# Altium PCB PCB2.PcbDoc (part 1 of 3) (continued)
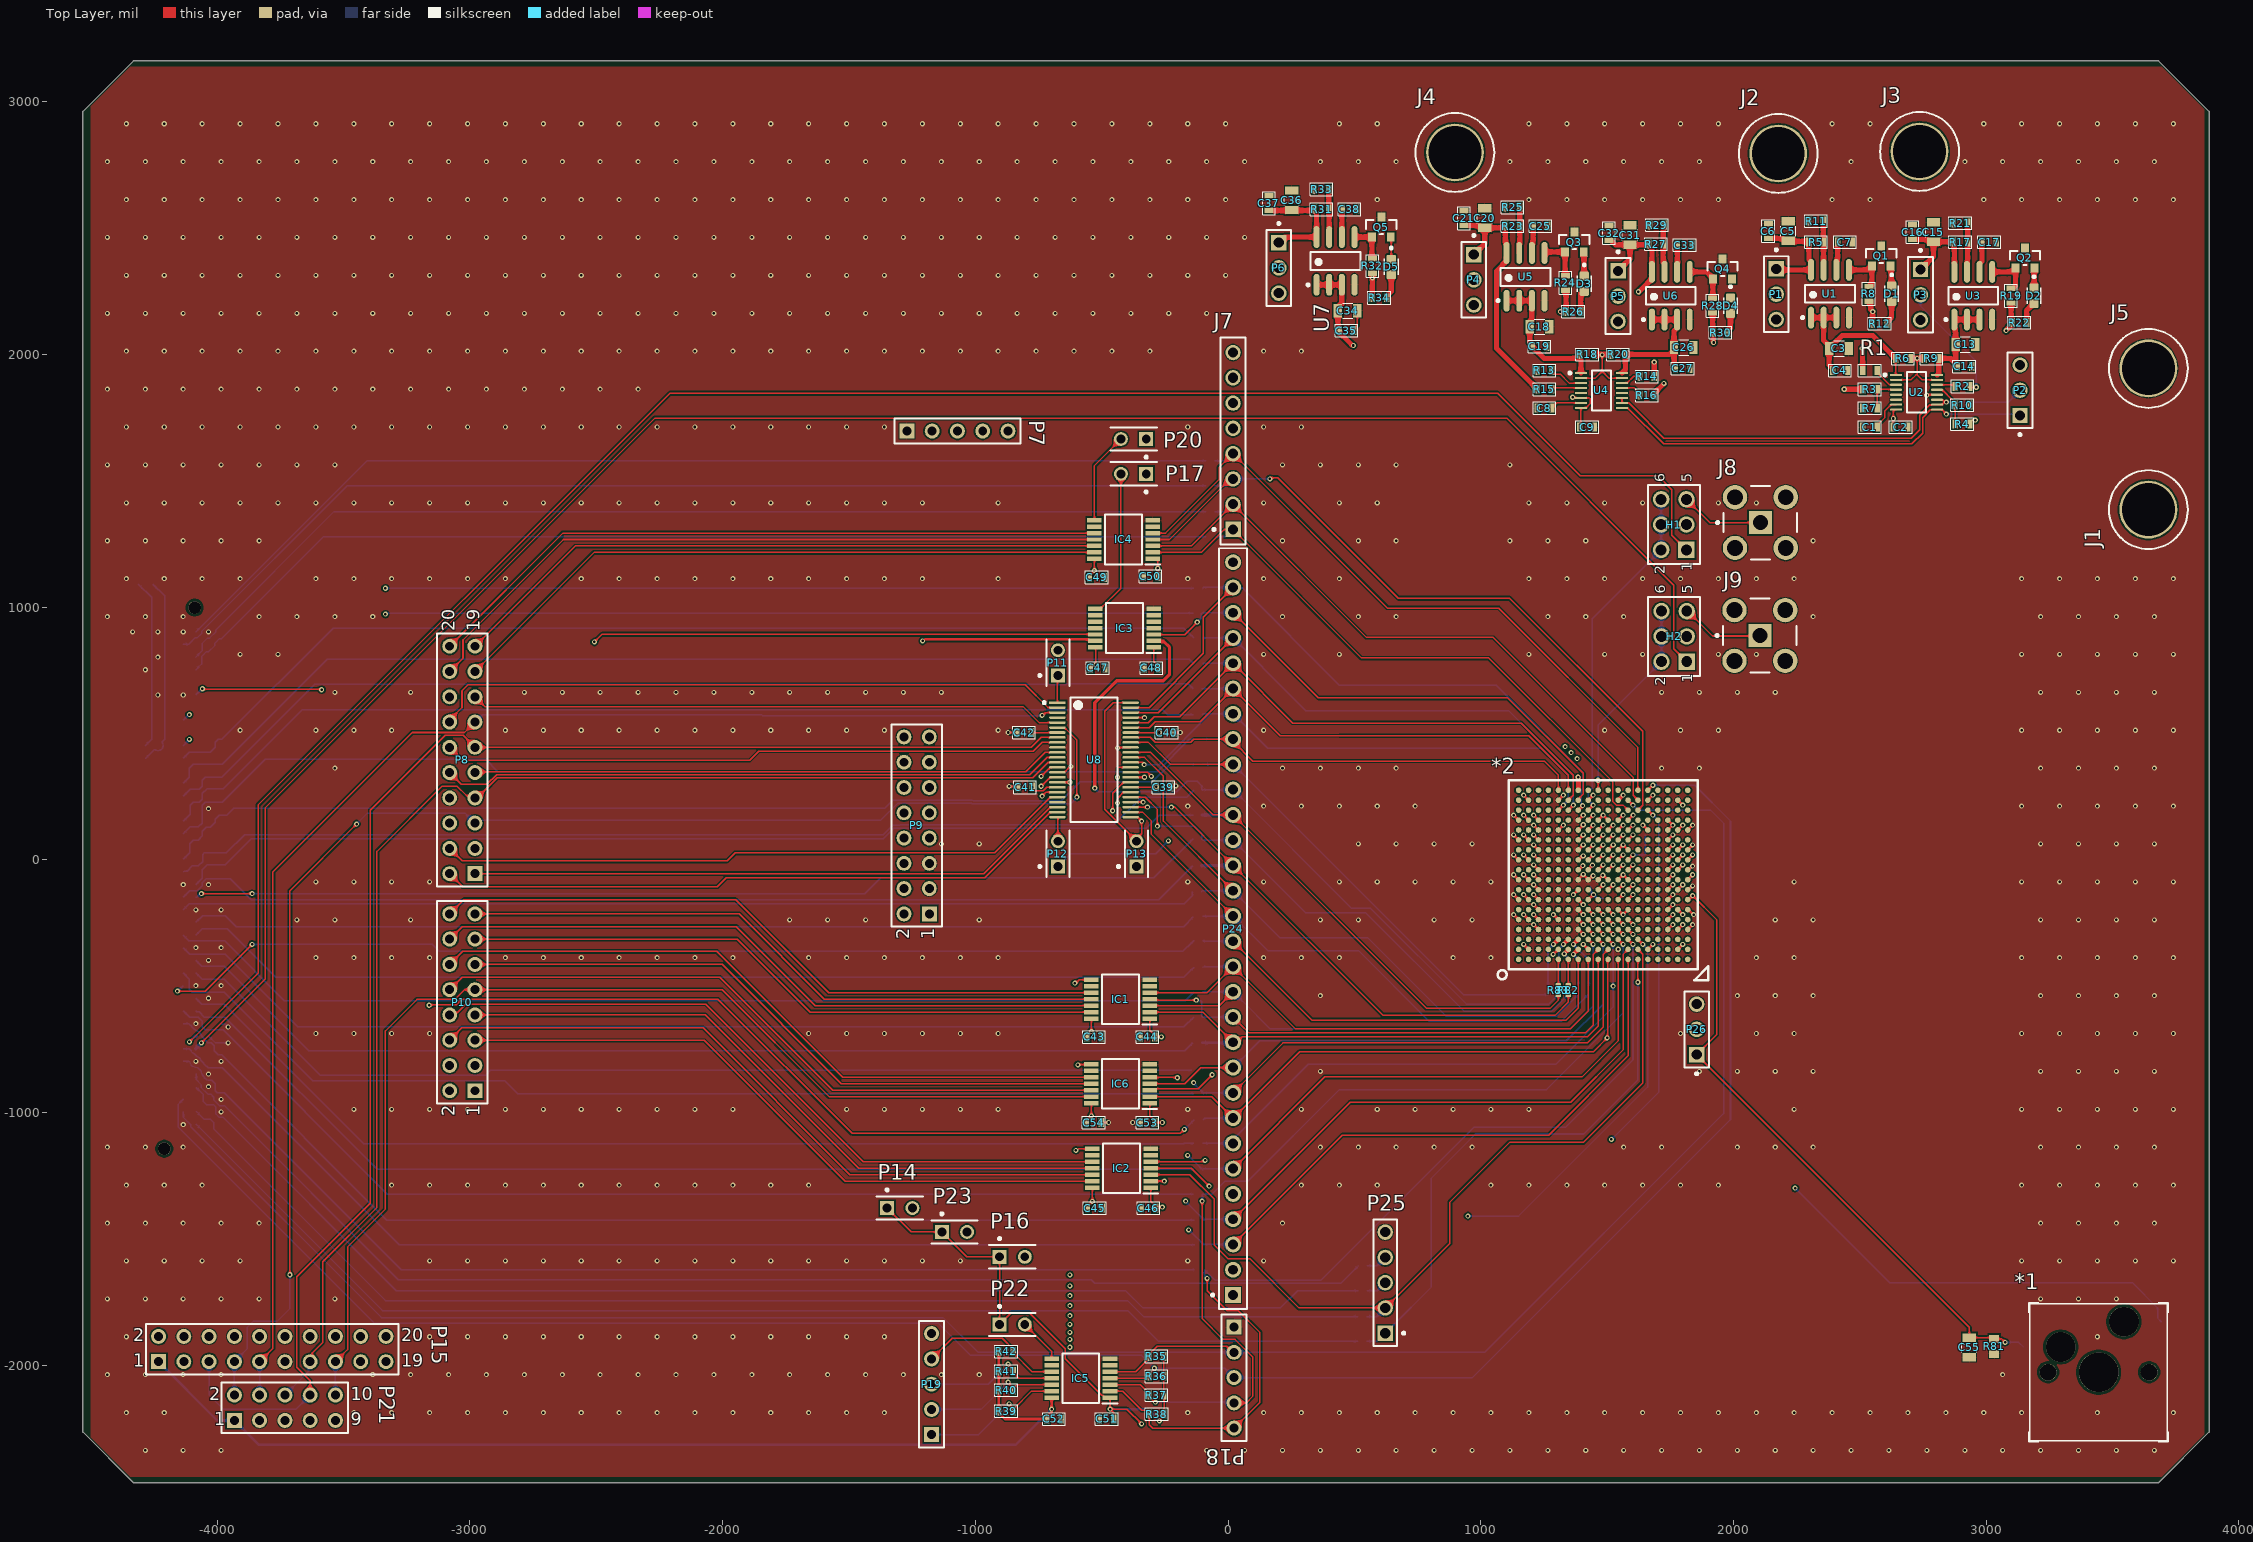
[diagram p0: Top Layer view]
## Components (designator, comment, footprint, x,y, rotation, side; value= is the part's Value field where it differs from the comment) (continued)
R47 "0R2J" RESC0402(1005)_L -110.24,-1622.05 r180 bottom value=0
R48 "0R2J" RESC0402(1005)_L -114.17,-1523.62 r180 bottom value=0
R49 "0R2J" RESC0402(1005)_L -116.14,-1425.2 r180 bottom value=0
R50 "0R2J" RESC0402(1005)_L -118.11,-1322.83 r180 bottom value=0
R51 "0R2J" RESC0402(1005)_L -118.11,-1228.35 r180 bottom value=0
R52 "0R2J" RESC0402(1005)_L -114.17,-1122.05 r180 bottom value=0
R53 "0R2J" RESC0402(1005)_L -122.05,-318.9 r180 bottom value=0
R54 "0R2J" RESC0402(1005)_L -114.17,-925.2 r180 bottom value=0
R55 "0R2J" RESC0402(1005)_L -125.98,-826.77 r180 bottom value=0
R56 "0R2J" RESC0402(1005)_L -118.11,-724.41 r180 bottom value=0
R57 "0R2J" RESC0402(1005)_L -122.05,-622.05 r180 bottom value=0
R58 "0R2J" RESC0402(1005)_L -120.08,-523.62 r180 bottom value=0
R59 "0R2J" RESC0402(1005)_L -122.05,-425.2 r180 bottom value=0
R60 "0R2J" RESC0402(1005)_L -118.11,-224.41 r180 bottom value=0
R61 "0R2J" RESC0402(1005)_L -118.11,-125.98 r180 bottom value=0
R62 "0R2J" RESC0402(1005)_L -120.08,-23.62 r180 bottom value=0
R63 "0R2J" RESC0402(1005)_L -122.05,78.74 r180 bottom value=0
R64 "0R2J" RESC0402(1005)_L -122.05,181.1 r180 bottom value=0
R65 "0R2J" RESC0402(1005)_L -120.08,275.59 r180 bottom value=0
R66 "0R2J" RESC0402(1005)_L -110.24,377.95 r180 bottom value=0
R67 "0R2J" RESC0402(1005)_L -114.17,472.44 r180 bottom value=0
R68 "0R2J" RESC0402(1005)_L -116.14,578.74 r180 bottom value=0
R69 "0R2J" RESC0402(1005)_L -120.08,677.17 r180 bottom value=0
R70 "0R2J" RESC0402(1005)_L -124.02,771.65 r180 bottom value=0
R71 "0R2J" RESC0402(1005)_L -122.05,877.95 r180 bottom value=0
R72 "0R2J" RESC0402(1005)_L -124.02,976.38 r180 bottom value=0
R73 "0R2J" RESC0402(1005)_L -118.11,1074.8 r180 bottom value=0
R75 "0" 0603 -4283.46,1090.55 r0 bottom
R76 "0R2J" RESC0402(1005)_L -118.11,-1031.5 r180 bottom value=0
R77 "0R2J" RESC0402(1005)_L -70.87,1279.53 r180 bottom value=0
R78 "0R2J" RESC0402(1005)_L -70.87,1377.95 r180 bottom value=0
R79 "0R2J" RESC0402(1005)_L -70.87,1480.32 r0 bottom value=0
R80 "0R2J" RESC0402(1005)_L -70.87,1578.74 r180 bottom value=0
R81 "Resistor 10k +/-1% 0603 100 mW" RESC1608X55X25ML10T15 3031.5,-1925.2 r90 top value=10k
R82 "0R2J" RESC0402(1005)_L 1346.46,-515.75 r270 top value=0
R83 "0R2J" RESC0402(1005)_L 1307.09,-515.75 r270 top value=0
R84 "0R2J" RESC0402(1005)_L 1385.83,-515.75 r270 bottom value=0
R85 "0R2J" RESC0402(1005)_L 1346.46,-515.75 r270 bottom value=0
R86 "0R2J" RESC0402(1005)_L 1425.2,-515.75 r270 bottom value=0
R87 "0R2J" RESC0402(1005)_L 1307.09,-515.75 r270 bottom value=0
R88 "0R2J" RESC0402(1005)_L 1267.72,-515.75 r270 bottom value=0
U1 "MCP1726-ADJE/SN" SOIC-SN8_N 2381.89,2240.16 r90 top
U2 "LTC2992IMS#PBF" FP-MS-16-05-08-1669-IPC_C 2724.41,1850.39 r0 top
U3 "MCP1726-ADJE/SN" SOIC-SN8_N 2948.82,2232.28 r90 top
U4 "LTC2992IMS#PBF" FP-MS-16-05-08-1669-IPC_C 1477.52,1857.4 r0 top
U5 "MCP1726-ADJE/SN" SOIC-SN8_N 1177.17,2307.09 r90 top
U6 "MCP1726-ADJE/SN" SOIC-SN8_N 1751.97,2232.28 r90 top
U7 "MCP1726-ADJE/SN" SOIC-SN8_N 425.2,2370.08 r90 top
U8 "SN74AVC16T245DGGR" FP-DGG0048A-IPC_B -530.53,395.67 r0 top

## Footprints (in the part's own frame and the unit in brackets; to place one, negate y for a bottom-side part, rotate by r counter-clockwise, add the part's x,y. Pads: shape width x height; smd on the part's side, far side on the other; paste and mask are expansions set on the pad)
0603 [mm]
  rect 0.55x0.9 smd: 1(-0.73,0) 2(0.73,0)
  silkscreen extent -1.14,-0.64 1.14,0.64
0805 [mm]
  rect 0.85x1.35 smd: 1(-0.98,0) 2(0.98,0)
  silkscreen extent -0.51,-0.76 0.51,0.76
61300621121 [mm] "Pin Header, pitch 2.54 mm, THT, Vertical, dual row, 6p"
  rect 1.65x1.65 hole 1.1: 1(-2.54,-1.27)
  round 1.65 hole 1.1: 2(-2.54,1.27) 3(0,-1.27) 4(0,1.27) 5(2.54,-1.27) 6(2.54,1.27)
  silkscreen extent -3.96,-2.62 3.96,2.62, body extent -3.81,-2.54 3.81,2.54, height 8.59
BGA324x18 [mm]
  round 0.56 smd: 1(0,0) 2(1,0) 3(2,0) 4(3,0) 5(4,0) 6(5,0) 7(6,0) 8(7,0) 9(8,0) 10(9,0) 11(10,0) 12(11,0) 13(12,0) 14(13,0) 15(14,0) 16(15,0) 17(16,0) 18(17,0) 19(0,-1) 20(1,-1) 21(2,-1) 22(3,-1) 23(4,-1) 24(5,-1) 25(6,-1) 26(7,-1) 27(8,-1) 28(9,-1) 29(10,-1) 30(11,-1) 31(12,-1) 32(13,-1) 33(14,-1) 34(15,-1) 35(16,-1) 36(17,-1) 37(0,-2) 38(1,-2) 39(2,-2) 40(3,-2) 41(4,-2) 42(5,-2) 43(6,-2) 44(7,-2) 45(8,-2) 46(9,-2) 47(10,-2) 48(11,-2) 49(12,-2) 50(13,-2) 51(14,-2) 52(15,-2) 53(16,-2) 54(17,-2) 55(0,-3) 56(1,-3) 57(2,-3) 58(3,-3) 59(4,-3) 60(5,-3) 61(6,-3) 62(7,-3) 63(8,-3) 64(9,-3) 65(10,-3) 66(11,-3) 67(12,-3) 68(13,-3) 69(14,-3) 70(15,-3) 71(16,-3) 72(17,-3) 73(0,-4) 74(1,-4) 75(2,-4) 76(3,-4) 77(4,-4) 78(5,-4) 79(6,-4) 80(7,-4) 81(8,-4) 82(9,-4) 83(10,-4) 84(11,-4) 85(12,-4) 86(13,-4) 87(14,-4) 88(15,-4) 89(16,-4) 90(17,-4) 91(0,-5) 92(1,-5) 93(2,-5) 94(3,-5) 95(4,-5) 96(5,-5) 97(6,-5) 98(7,-5) 99(8,-5) 100(9,-5) 101(10,-5) 102(11,-5) 103(12,-5) 104(13,-5) 105(14,-5) 106(15,-5) 107(16,-5) 108(17,-5) 109(0,-6) 110(1,-6) 111(2,-6) 112(3,-6) 113(4,-6) 114(5,-6) 115(6,-6) 116(7,-6) 117(8,-6) 118(9,-6) 119(10,-6) 120(11,-6) 121(12,-6) 122(13,-6) 123(14,-6) 124(15,-6) 125(16,-6) 126(17,-6) 127(0,-7) 128(1,-7) 129(2,-7) 130(3,-7) 131(4,-7) 132(5,-7) 133(6,-7) 134(7,-7) 135(8,-7) 136(9,-7) 137(10,-7) 138(11,-7) 139(12,-7) 140(13,-7) 141(14,-7) 142(15,-7) 143(16,-7) 144(17,-7) 145(0,-8) 146(1,-8) 147(2,-8) 148(3,-8) 149(4,-8) 150(5,-8) 151(6,-8) 152(7,-8) 153(8,-8) 154(9,-8) 155(10,-8) 156(11,-8) 157(12,-8) 158(13,-8) 159(14,-8) 160(15,-8) 161(16,-8) 162(17,-8) 163(0,-9) 164(1,-9) 165(2,-9) 166(3,-9) 167(4,-9) 168(5,-9) 169(6,-9) 170(7,-9) 171(8,-9) 172(9,-9) 173(10,-9) 174(11,-9) 175(12,-9) 176(13,-9) 177(14,-9) 178(15,-9) 179(16,-9) 180(17,-9) 181(0,-10) 182(1,-10) 183(2,-10) 184(3,-10) 185(4,-10) 186(5,-10) 187(6,-10) 188(7,-10) 189(8,-10) 190(9,-10) 191(10,-10) 192(11,-10) 193(12,-10) 194(13,-10) 195(14,-10) 196(15,-10) 197(16,-10) 198(17,-10) 199(0,-11) 200(1,-11) 201(2,-11) 202(3,-11) 203(4,-11) 204(5,-11) 205(6,-11) 206(7,-11) 207(8,-11) 208(9,-11) 209(10,-11) 210(11,-11) 211(12,-11) 212(13,-11) 213(14,-11) 214(15,-11) 215(16,-11) 216(17,-11) 217(0,-12) 218(1,-12) 219(2,-12) 220(3,-12) 221(4,-12) 222(5,-12) 223(6,-12) 224(7,-12) 225(8,-12) 226(9,-12) 227(10,-12) 228(11,-12) 229(12,-12) 230(13,-12) 231(14,-12) 232(15,-12) 233(16,-12) 234(17,-12) 235(0,-13) 236(1,-13) 237(2,-13) 238(3,-13) 239(4,-13) 240(5,-13) 241(6,-13) 242(7,-13) 243(8,-13) 244(9,-13) 245(10,-13) 246(11,-13) 247(12,-13) 248(13,-13) 249(14,-13) 250(15,-13) 251(16,-13) 252(17,-13) 253(0,-14) 254(1,-14) 255(2,-14) 256(3,-14) 257(4,-14) 258(5,-14) 259(6,-14) 260(7,-14) 261(8,-14) 262(9,-14) 263(10,-14) 264(11,-14) 265(12,-14) 266(13,-14) 267(14,-14) 268(15,-14) 269(16,-14) 270(17,-14) 271(0,-15) 272(1,-15) 273(2,-15) 274(3,-15) 275(4,-15) 276(5,-15) 277(6,-15) 278(7,-15) 279(8,-15) 280(9,-15) 281(10,-15) 282(11,-15) 283(12,-15) 284(13,-15) 285(14,-15) 286(15,-15) 287(16,-15) 288(17,-15) 289(0,-16) 290(1,-16) 291(2,-16) 292(3,-16) 293(4,-16) 294(5,-16) 295(6,-16) 296(7,-16) 297(8,-16) 298(9,-16) 299(10,-16) 300(11,-16) 301(12,-16) 302(13,-16) 303(14,-16) 304(15,-16) 305(16,-16) 306(17,-16) 307(0,-17) 308(1,-17) 309(2,-17) 310(3,-17) 311(4,-17) 312(5,-17) 313(6,-17) 314(7,-17) 315(8,-17) 316(9,-17) 317(10,-17) 318(11,-17) 319(12,-17) 320(13,-17) 321(14,-17) 322(15,-17) 323(16,-17) 324(17,-17)
  silkscreen extent -2.11,-19.11 19.05,1
CAPC0402(1005)60_L [mm] "Chip Capacitor, Body 1.0x0.5mm, Height 0.6mm, IPC High Density"
  rrect25% 0.5x0.55 smd: 1(-0.45,0) 2(0.45,0)
  silkscreen extent 0,-0.2 0,0.2, body extent -0.5,-0.25 0.5,0.25, height 0.6
FCI-77311-5_V [mm] "THD, 5-Leads, Body 12.7x2.4mm, Pitch 2.54mm"
  rect 1.55x1.55 hole 1.02: 1(-5.08,0)
  round 1.55 hole 1.02: 2(-2.54,0) 3(0,0) 4(2.54,0) 5(5.08,0)
  silkscreen extent -6.35,-1.97 6.35,1.2, body extent -6.35,-1.2 6.35,1.2, height 16.24
FP-318-08-MFG [mm]
  rect 0.9x0.8 smd paste+0 mask+0: 1(-1,0.95) 2(-1,-0.95) 3(1,0)
  silkscreen extent -0.7,-1.52 0.7,1.52, body extent -1.55,-1.62 1.55,1.62, height 0.25
FP-DGG0048A-IPC_B [mm]
  rect 1.655x0.252 smd paste+0 mask+0: 1(-3.675,5.75)
  rrect100% 1.655x0.252 smd paste+0 mask+0: 2(-3.675,5.25) 3(-3.675,4.75) 4(-3.675,4.25) 5(-3.675,3.75) 6(-3.675,3.25) 7(-3.675,2.75) 8(-3.675,2.25) 9(-3.675,1.75) 10(-3.675,1.25) 11(-3.675,0.75) 12(-3.675,0.25) 13(-3.675,-0.25) 14(-3.675,-0.75) 15(-3.675,-1.25) 16(-3.675,-1.75) 17(-3.675,-2.25) 18(-3.675,-2.75) 19(-3.675,-3.25) 20(-3.675,-3.75) 21(-3.675,-4.25) 22(-3.675,-4.75) 23(-3.675,-5.25) 24(-3.675,-5.75) 25(3.675,-5.75) 26(3.675,-5.25) 27(3.675,-4.75) 28(3.675,-4.25) 29(3.675,-3.75) 30(3.675,-3.25) 31(3.675,-2.75) 32(3.675,-2.25) 33(3.675,-1.75) 34(3.675,-1.25) 35(3.675,-0.75) 36(3.675,-0.25) 37(3.675,0.25) 38(3.675,0.75) 39(3.675,1.25) 40(3.675,1.75) 41(3.675,2.25) 42(3.675,2.75) 43(3.675,3.25) 44(3.675,3.75) 45(3.675,4.25) 46(3.675,4.75) 47(3.675,5.25) 48(3.675,5.75)
  silkscreen extent -5.13,-6.25 2.35,6.25
FP-MS-16-05-08-1669-IPC_C [mm]
  rect 1.24x0.212 smd paste+0 mask+0: 1(-2.06,1.75)
  rrect100% 1.24x0.212 smd paste+0 mask+0: 2(-2.06,1.25) 3(-2.06,0.75) 4(-2.06,0.25) 5(-2.06,-0.25) 6(-2.06,-0.75) 7(-2.06,-1.25) 8(-2.06,-1.75) 9(2.06,-1.75) 10(2.06,-1.25) 11(2.06,-0.75) 12(2.06,-0.25) 13(2.06,0.25) 14(2.06,0.75) 15(2.06,1.25) 16(2.06,1.75)
  silkscreen extent -3.3,-2.02 0.94,2.02, body extent -2.78,-2.12 2.78,2.12, height 0.25
FP-RF2-04A-T-00-50-G-MFG [mm]
  rect 2.3x2.3 hole 1.5 paste-1000 mask+0: 1(0,0)
  round 2.45 hole 1.6 paste-1000 mask+0: 2(-2.55,2.55) 3(2.55,2.55) 4(-2.55,-2.55) 5(2.55,-2.55)
  silkscreen extent -4.42,-3.7 3.7,3.7, body extent -3.88,-3.88 3.88,3.88, height 0.25
HDR1X5 [mm] "Connector; Header; 5 Position"
  rect 1.5x1.5 hole 0.9: 1(0,0)
  round 1.5 hole 0.9: 2(2.54,0) 3(5.08,0) 4(7.62,0) 5(10.16,0)
  silkscreen extent -1.27,-1.27 11.43,1.27
HDR1X30 [mm] "Connector; Header; 30 Position"
  rect 1.6x1.6 hole 0.99: 1(0,0)
  round 1.6 hole 0.99: 2(2.54,0) 3(5.08,0) 4(7.62,0) 5(10.16,0) 6(12.7,0) 7(15.24,0) 8(17.78,0) 9(20.32,0) 10(22.86,0) 11(25.4,0) 12(27.94,0) 13(30.48,0) 14(33.02,0) 15(35.56,0) 16(38.1,0) 17(40.64,0) 18(43.18,0) 19(45.72,0) 20(48.26,0) 21(50.8,0) 22(53.34,0) 23(55.88,0) 24(58.42,0) 25(60.96,0) 26(63.5,0) 27(66.04,0) 28(68.58,0) 29(71.12,0) 30(73.66,0)
  silkscreen extent -1.4,-1.4 75.06,2.17
HDR2X5 [mm] "Connector; Header; 5x2 Position"
  rect 1.5x1.5 hole 0.9: 1(0,0)
  round 1.5 hole 0.9: 2(0,2.54) 3(2.54,0) 4(2.54,2.54) 5(5.08,0) 6(5.08,2.54) 7(7.62,0) 8(7.62,2.54) 9(10.16,0) 10(10.16,2.54)
  silkscreen extent -1.27,-1.27 11.43,3.81
HDR2X8 [mm] "Connector; Header; 8x2 Position"
  rect 1.5x1.5 hole 0.9: 1(0,0)
  round 1.5 hole 0.9: 2(0,2.54) 3(2.54,0) 4(2.54,2.54) 5(5.08,0) 6(5.08,2.54) 7(7.62,0) 8(7.62,2.54) 9(10.16,0) 10(10.16,2.54) 11(12.7,0) 12(12.7,2.54) 13(15.24,0) 14(15.24,2.54) 15(17.78,0) 16(17.78,2.54)
  silkscreen extent -1.27,-1.27 19.05,3.81
HDR2X10 [mm] "Connector; Header; 10x2 Position"
  rect 1.5x1.5 hole 0.9: 1(0,0)
  round 1.5 hole 0.9: 2(0,2.54) 3(2.54,0) 4(2.54,2.54) 5(5.08,0) 6(5.08,2.54) 7(7.62,0) 8(7.62,2.54) 9(10.16,0) 10(10.16,2.54) 11(12.7,0) 12(12.7,2.54) 13(15.24,0) 14(15.24,2.54) 15(17.78,0) 16(17.78,2.54) 17(20.32,0) 18(20.32,2.54) 19(22.86,0) 20(22.86,2.54)
  silkscreen extent -1.27,-1.27 24.13,3.81
KSTN-575-8 [mm] "Banana Jack, Dia 7.92 mm"
  round 5.81 hole 5.31: 1(0,0)
  silkscreen extent -3.96,-3.96 3.96,3.96, body extent -3.96,-3.96 3.96,3.96, height 2.36
LED0603 [mm]
  rrect25% 0.91x0.93 smd: A(0.76,0) C(-0.76,0)
  silkscreen extent -2.02,-0.68 0.8,0.68
MOLX-22-28-4033_V [mm] "THD, 3-Leads, Body 7.62x2.49mm, Pitch 2.54mm"
  rect 1.55x1.55 hole 1.02: 1(-2.54,0)
  round 1.55 hole 1.02: 2(0,0) 3(2.54,0)
  silkscreen extent -4.58,-1.24 3.81,1.24, body extent -3.81,-1.24 3.81,1.24, height 8.38
"New footprint 1" [mm]
  rect 2.55x2.5 smd far side: 1(6.29,5.08) 2(-7.56,2.54)
  rect 1.8x0.82 smd far side: 3(-2.794,-4.191) 4(-2.794,-5.842) 5(2.794,-5.842) 6(2.794,-4.191)
  round 3 hole 3: Un1(2.54,5.08) Un2(-3.81,2.54)
  round 3.988 hole 3.988: Un3(0,0)
  round 1.702 hole 1.702: Un4(5.08,0) Un5(-5.08,0)
  silkscreen extent -7,-7 7,7
RESC0402(1005)_L [mm] "Chip Resistor, Body 1.0x0.5mm, IPC High Density"
  rrect25% 0.5x0.55 smd: 1(-0.45,0) 2(0.45,0)
  silkscreen extent 0,-0.2 0,0.2, body extent -0.5,-0.25 0.5,0.25, height 0.3
RESC1608X55X25ML10T15 [mm] "Chip Resistor, 2-Leads, Body 1.70x0.90mm, IPC Low Density"
  rect 0.8x1 smd: 1(-0.75,0) 2(0.75,0)
  body extent -0.85,-0.45 0.85,0.45, height 0.55
SAMTEC_ASP-134488-01 [mm]
  round 0.64 smd paste+0.125: A1(24.765,5.715) A2(23.495,5.715) A3(22.225,5.715) A4(20.955,5.715) A5(19.685,5.715) A6(18.415,5.715) A7(17.145,5.715) A8(15.875,5.715) A9(14.605,5.715) A10(13.335,5.715) A11(12.065,5.715) A12(10.795,5.715) A13(9.525,5.715) A14(8.255,5.715) A15(6.985,5.715) A16(5.715,5.715) A17(4.445,5.715) A18(3.175,5.715) A19(1.905,5.715) A20(0.635,5.715) A21(-0.635,5.715) A22(-1.905,5.715) A23(-3.175,5.715) A24(-4.445,5.715) A25(-5.715,5.715) A26(-6.985,5.715) A27(-8.255,5.715) A28(-9.525,5.715) A29(-10.795,5.715) A30(-12.065,5.715) A31(-13.335,5.715) A32(-14.605,5.715) A33(-15.875,5.715) A34(-17.145,5.715) A35(-18.415,5.715) A36(-19.685,5.715) A37(-20.955,5.715) A38(-22.225,5.715) A39(-23.495,5.715) A40(-24.765,5.715) B1(24.765,4.445) B2(23.495,4.445) B3(22.225,4.445) B4(20.955,4.445) B5(19.685,4.445) B6(18.415,4.445) B7(17.145,4.445) B8(15.875,4.445) B9(14.605,4.445) B10(13.335,4.445) B11(12.065,4.445) B12(10.795,4.445) B13(9.525,4.445) B14(8.255,4.445) B15(6.985,4.445) B16(5.715,4.445) B17(4.445,4.445) B18(3.175,4.445) B19(1.905,4.445) B20(0.635,4.445) B21(-0.635,4.445) B22(-1.905,4.445) B23(-3.175,4.445) B24(-4.445,4.445) B25(-5.715,4.445) B26(-6.985,4.445) B27(-8.255,4.445) B28(-9.525,4.445) B29(-10.795,4.445) B30(-12.065,4.445) B31(-13.335,4.445) B32(-14.605,4.445) B33(-15.875,4.445) B34(-17.145,4.445) B35(-18.415,4.445) B36(-19.685,4.445) B37(-20.955,4.445) B38(-22.225,4.445) B39(-23.495,4.445) B40(-24.765,4.445) C1(24.765,3.175) C2(23.495,3.175) C3(22.225,3.175) C4(20.955,3.175) C5(19.685,3.175) C6(18.415,3.175) C7(17.145,3.175) C8(15.875,3.175) C9(14.605,3.175) C10(13.335,3.175) C11(12.065,3.175) C12(10.795,3.175) C13(9.525,3.175) C14(8.255,3.175) C15(6.985,3.175) C16(5.715,3.175) C17(4.445,3.175) C18(3.175,3.175) C19(1.905,3.175) C20(0.635,3.175) C21(-0.635,3.175) C22(-1.905,3.175) C23(-3.175,3.175) C24(-4.445,3.175) C25(-5.715,3.175) C26(-6.985,3.175) C27(-8.255,3.175) C28(-9.525,3.175) C29(-10.795,3.175) C30(-12.065,3.175) C31(-13.335,3.175) C32(-14.605,3.175) C33(-15.875,3.175) C34(-17.145,3.175) C35(-18.415,3.175) C36(-19.685,3.175) C37(-20.955,3.175) C38(-22.225,3.175) C39(-23.495,3.175) C40(-24.765,3.175) D1(24.765,1.905) D2(23.495,1.905) D3(22.225,1.905) D4(20.955,1.905) D5(19.685,1.905) D6(18.415,1.905) D7(17.145,1.905) D8(15.875,1.905) D9(14.605,1.905) D10(13.335,1.905) D11(12.065,1.905) D12(10.795,1.905) D13(9.525,1.905) D14(8.255,1.905) D15(6.985,1.905) D16(5.715,1.905) D17(4.445,1.905) D18(3.175,1.905) D19(1.905,1.905) D20(0.635,1.905) D21(-0.635,1.905) D22(-1.905,1.905) D23(-3.175,1.905) D24(-4.445,1.905) D25(-5.715,1.905) D26(-6.985,1.905) D27(-8.255,1.905) D28(-9.525,1.905) D29(-10.795,1.905) D30(-12.065,1.905) D31(-13.335,1.905) D32(-14.605,1.905) D33(-15.875,1.905) D34(-17.145,1.905) D35(-18.415,1.905) D36(-19.685,1.905) D37(-20.955,1.905) D38(-22.225,1.905) D39(-23.495,1.905) D40(-24.765,1.905) E1(24.765,0.635) E2(23.495,0.635) E3(22.225,0.635) E4(20.955,0.635) E5(19.685,0.635) E6(18.415,0.635) E7(17.145,0.635) E8(15.875,0.635) E9(14.605,0.635) E10(13.335,0.635) E11(12.065,0.635) E12(10.795,0.635) E13(9.525,0.635) E14(8.255,0.635) E15(6.985,0.635) E16(5.715,0.635) E17(4.445,0.635) E18(3.175,0.635) E19(1.905,0.635) E20(0.635,0.635) E21(-0.635,0.635) E22(-1.905,0.635) E23(-3.175,0.635) E24(-4.445,0.635) E25(-5.715,0.635) E26(-6.985,0.635) E27(-8.255,0.635) E28(-9.525,0.635) E29(-10.795,0.635) E30(-12.065,0.635) E31(-13.335,0.635) E32(-14.605,0.635) E33(-15.875,0.635) E34(-17.145,0.635) E35(-18.415,0.635) E36(-19.685,0.635) E37(-20.955,0.635) E38(-22.225,0.635) E39(-23.495,0.635) E40(-24.765,0.635) F1(24.765,-0.635) F2(23.495,-0.635) F3(22.225,-0.635) F4(20.955,-0.635) F5(19.685,-0.635) F6(18.415,-0.635) F7(17.145,-0.635) F8(15.875,-0.635) F9(14.605,-0.635) F10(13.335,-0.635) F11(12.065,-0.635) F12(10.795,-0.635) F13(9.525,-0.635) F14(8.255,-0.635) F15(6.985,-0.635) F16(5.715,-0.635) F17(4.445,-0.635) F18(3.175,-0.635) F19(1.905,-0.635) F20(0.635,-0.635) F21(-0.635,-0.635) F22(-1.905,-0.635) F23(-3.175,-0.635) F24(-4.445,-0.635) F25(-5.715,-0.635) F26(-6.985,-0.635) F27(-8.255,-0.635) F28(-9.525,-0.635) F29(-10.795,-0.635) F30(-12.065,-0.635) F31(-13.335,-0.635) F32(-14.605,-0.635) F33(-15.875,-0.635) F34(-17.145,-0.635) F35(-18.415,-0.635) F36(-19.685,-0.635) F37(-20.955,-0.635) F38(-22.225,-0.635) F39(-23.495,-0.635) F40(-24.765,-0.635) G1(24.765,-1.905) G2(23.495,-1.905) G3(22.225,-1.905) G4(20.955,-1.905) G5(19.685,-1.905) G6(18.415,-1.905) G7(17.145,-1.905) G8(15.875,-1.905) G9(14.605,-1.905) G10(13.335,-1.905) G11(12.065,-1.905) G12(10.795,-1.905) G13(9.525,-1.905) G14(8.255,-1.905) G15(6.985,-1.905) G16(5.715,-1.905) G17(4.445,-1.905) G18(3.175,-1.905) G19(1.905,-1.905) G20(0.635,-1.905) G21(-0.635,-1.905) G22(-1.905,-1.905) G23(-3.175,-1.905) G24(-4.445,-1.905) G25(-5.715,-1.905) G26(-6.985,-1.905) G27(-8.255,-1.905) G28(-9.525,-1.905) G29(-10.795,-1.905) G30(-12.065,-1.905) G31(-13.335,-1.905) G32(-14.605,-1.905) G33(-15.875,-1.905) G34(-17.145,-1.905) G35(-18.415,-1.905) G36(-19.685,-1.905) G37(-20.955,-1.905) G38(-22.225,-1.905) G39(-23.495,-1.905) G40(-24.765,-1.905) H1(24.765,-3.175) H2(23.495,-3.175) H3(22.225,-3.175) H4(20.955,-3.175) H5(19.685,-3.175) H6(18.415,-3.175) H7(17.145,-3.175) H8(15.875,-3.175) H9(14.605,-3.175) H10(13.335,-3.175) H11(12.065,-3.175) H12(10.795,-3.175) H13(9.525,-3.175) H14(8.255,-3.175) H15(6.985,-3.175) H16(5.715,-3.175) H17(4.445,-3.175) H18(3.175,-3.175) H19(1.905,-3.175) H20(0.635,-3.175) H21(-0.635,-3.175) H22(-1.905,-3.175) H23(-3.175,-3.175) H24(-4.445,-3.175) H25(-5.715,-3.175) H26(-6.985,-3.175) H27(-8.255,-3.175) H28(-9.525,-3.175) H29(-10.795,-3.175) H30(-12.065,-3.175) H31(-13.335,-3.175) H32(-14.605,-3.175) H33(-15.875,-3.175) H34(-17.145,-3.175) H35(-18.415,-3.175) H36(-19.685,-3.175) H37(-20.955,-3.175) H38(-22.225,-3.175) H39(-23.495,-3.175) H40(-24.765,-3.175) J1(24.765,-4.445) J2(23.495,-4.445) J3(22.225,-4.445) J4(20.955,-4.445) J5(19.685,-4.445) J6(18.415,-4.445) J7(17.145,-4.445) J8(15.875,-4.445) J9(14.605,-4.445) J10(13.335,-4.445) J11(12.065,-4.445) J12(10.795,-4.445) J13(9.525,-4.445) J14(8.255,-4.445) J15(6.985,-4.445) J16(5.715,-4.445) J17(4.445,-4.445) J18(3.175,-4.445) J19(1.905,-4.445) J20(0.635,-4.445) J21(-0.635,-4.445) J22(-1.905,-4.445) J23(-3.175,-4.445) J24(-4.445,-4.445) J25(-5.715,-4.445) J26(-6.985,-4.445) J27(-8.255,-4.445) J28(-9.525,-4.445) J29(-10.795,-4.445) J30(-12.065,-4.445) J31(-13.335,-4.445) J32(-14.605,-4.445) J33(-15.875,-4.445) J34(-17.145,-4.445) J35(-18.415,-4.445) J36(-19.685,-4.445) J37(-20.955,-4.445) J38(-22.225,-4.445) J39(-23.495,-4.445) J40(-24.765,-4.445) K1(24.765,-5.715) K2(23.495,-5.715) K3(22.225,-5.715) K4(20.955,-5.715) K5(19.685,-5.715) K6(18.415,-5.715) K7(17.145,-5.715) K8(15.875,-5.715) K9(14.605,-5.715) K10(13.335,-5.715) K11(12.065,-5.715) K12(10.795,-5.715) K13(9.525,-5.715) K14(8.255,-5.715) K15(6.985,-5.715) K16(5.715,-5.715) K17(4.445,-5.715) K18(3.175,-5.715) K19(1.905,-5.715) K20(0.635,-5.715) K21(-0.635,-5.715) K22(-1.905,-5.715) K23(-3.175,-5.715) K24(-4.445,-5.715) K25(-5.715,-5.715) K26(-6.985,-5.715) K27(-8.255,-5.715) K28(-9.525,-5.715) K29(-10.795,-5.715) K30(-12.065,-5.715) K31(-13.335,-5.715) K32(-14.605,-5.715) K33(-15.875,-5.715) K34(-17.145,-5.715) K35(-18.415,-5.715) K36(-19.685,-5.715) K37(-20.955,-5.715) K38(-22.225,-5.715) K39(-23.495,-5.715) K40(-24.765,-5.715)
  round 1.27 hole 1.27 unplated: ""(-27.191,-3.05) ""(27.191,0)
  silkscreen extent -27.89,-7.34 28.78,7.34, body extent -27.84,-7.34 28.83,7.34, height 7.19
SLIN-PPPC081LFBN-RC_V [mm] "THD, 8-Leads, Body 20.82x2.54mm, Pitch 2.54mm"
  rect 1.55x1.55 hole 1.02: 1(-8.89,0)
  round 1.55 hole 1.02: 2(-6.35,0) 3(-3.81,0) 4(-1.27,0) 5(1.27,0) 6(3.81,0) 7(6.35,0) 8(8.89,0)
  silkscreen extent -10.41,-1.27 10.41,2.04, body extent -10.41,-1.27 10.41,1.27, height 8.5
SOIC-SN8_N [mm] "SOIC, 8-Leads, Body 4.9x3.9mm, Pitch 1.27mm, IPC Medium Density"
  oval 2.2x0.6 smd: 1(-2.4,1.905) 2(-2.4,0.635) 3(-2.4,-0.635) 4(-2.4,-1.905) 5(2.4,-1.905) 6(2.4,-0.635) 7(2.4,0.635) 8(2.4,1.905)
  silkscreen extent -2.52,-2.5 0.9,2.88, body extent -2,-2.5 2,2.5, height 1.75
SOP65P640X120-14N [mm]
  rect 1.475x0.45 smd: 1(-2.938,1.95) 2(-2.938,1.3) 3(-2.938,0.65) 4(-2.938,0) 5(-2.938,-0.65) 6(-2.938,-1.3) 7(-2.938,-1.95) 8(2.938,-1.95) 9(2.938,-1.3) 10(2.938,-0.65) 11(2.938,0) 12(2.938,0.65) 13(2.938,1.3) 14(2.938,1.95)
  silkscreen extent -3.67,-2.5 1.85,2.52, body extent -3.2,-2.5 3.2,2.5, height 1.13
TECO-5-146280-2_V [mm] "Connector, 2-Leads, Body 4.67x2.34mm, Pitch 2.54mm"
  rect 1.4x1.4 hole 0.89: 1(-1.27,0)
  round 1.4 hole 0.89: 2(1.27,0)
  silkscreen extent -2.33,-1.17 2.33,1.94, body extent -2.34,-1.17 2.34,1.17, height 5.33

## Part data
*1: library part CMP-00028-00007-1
*2: library part BearlyML-2, "BearlyML chip from Sp22 Tapeout class"
C1 C2 C3 C4 C5 C6 C7 C8 C9 C13 C14 C15 C16 C17 C18 C19 C20 C21 C25 C26 C27 C31 C32 C33 C34 C35 C36 C37 C38 C39 C40 C41 C42 C43 C44 C45 C46 C47 C48 C49 C50 C51 C52 C53 C54 C55: "Capacitor", LatestRevisionDate=17-Jul-2002, LatestRevisionNote="Re-released for DXP Platform.", PackageDescription="Radial Cap, Thru-Hole; 2 Leads; 0.3 in Pin Spacing", PackageReference=RAD-0.3, Published=8-Jun-2000, Publisher="Altium Limited"
C10 C22 C28: library part CMP-001-00061-3, "Chip Capacitor, 100nF +/-20%, 10V, 0402, Thickness 0.6 mm", Case/Package=0402, Max Operating Temperature=85°C, Min Operating Temperature=-55°C, Tolerance=20%, Voltage Rating=10V, Mounting Technology=SMT, Pins=2
C11 C23 C29: library part CMP-001-00063-3, "Chip Capacitor, 1µF +/-20%, 10V, 0402, Thickness 0.6 mm", Case/Package=0402, Max Operating Temperature=85°C, Min Operating Temperature=-55°C, Tolerance=10%, Voltage Rating=10V, Mounting Technology=SMT, Pins=2
C12 C24 C30: library part CMP-001-00074-3, "Chip Capacitor, 10µF +/-40%, 6.3V, 0402, Thickness 0.6 mm", Case/Package=0402, Max Operating Temperature=85°C, Min Operating Temperature=-55°C, Tolerance=10%, Voltage Rating=6.3V, Mounting Technology=SMT, Pins=2
D1 D2 D3 D4 D5: library part CMP-022-000000-2, "White LED Indication - Discrete 2.93V 0603 _1608 Metric_", Package="0603 Lite-On", Availability=Unavailable, Component Type=Standard, Design Item ID=LTW-C191DS5, MF="Lite-On Inc.", MP=LTW-C191DS5, Pin Count=2, Price=None, SnapEDA_Link=https://www.snapeda.com/parts/LTW-C191DS5/Lite-On%20Inc./view-part/199753/?ref=snap, Source=SnapEDAsch.SchLib
H1 H2: library part CMP-1502-01072-1, "THT Vertical Pin Header WR-PHD, Pitch 2.54 mm, Dual Row, 6 pins", Contact Resistance=20mOhm, Manufacturer="Wurth Elektronik", Operating Temperature=-40to105degC, Rated Current=3A, Withstanding Voltage=500VAC, Working Voltage=250VAC, Datasheet URL=https://katalog.we-online.de/em/datasheet/6130xx21121.pdf, Gender=Male, Manufacturer URL=http://www.we-online.de, Mounting Technology=THT, Orientation=Vertical, Package Reference=61300621121, Packaging=Bag, Part Number=61300621121, Pin Number=6, Pitch=2.54mm, Publisher=WurthElektronik, Row Number=Dual
IC1 IC2 IC3 IC4 IC5 IC6: library part CMP-016-000005-1, "Automotive 4-Bit Bidirectional Multi-Voltage Level Translator for Open-Drain or Push- Pull Interface", Manufacturer_Name="Texas Instruments", Mouser Part Number=595-LSF0204QPWRQ1, Arrow Part Number=LSF0204QPWRQ1, Arrow Price/Stock=https://www.arrow.com/en/products/lsf0204qpwrq1/texas-instruments?region=nac, Datasheet Link=http://www.ti.com/lit/gpn/lsf0204-q1, Design Item ID=LSF0204QPWRQ1, Height=1.2mm, Manufacturer_Part_Number=LSF0204QPWRQ1, Mouser Price/Stock=https://www.mouser.co.uk/ProductDetail/Texas-Instruments/LSF0204QPWRQ1?qs=w%2Fv1CP2dgqqt88p%2F1xId1A%3D%3D, Source=SamacSys.SchLib
J1 J2 J3 J4 J5: library part CMP-1672-00007-5, "Non-Insulated Jack, Through Hole, RoHS, Bulk", Manufacturer=Keystone, ComponentLink1Description="Manufacturer URL", ComponentLink1URL=http://www.keyelco.com/, ComponentLink2Description=Datasheet, ComponentLink2URL=http://www.keyelco.com/product-pdf.cfm?p=2379, DatasheetVersion="Rev. B, 11/1994", Mounting Technology="Through Hole", PackageDescription="1-Pin Through Hole Device, Dia 7.92 mm", PackageReference=575-8
J6: library part CMP-013-000000-2, "Board-To-Board Connector, Vita 57 XMC, ASP Series, Surface Mount, Header, 400, 1.27 mm", Package=None, Availability=Unavailable, Component Type=Standard, Design Item ID=ASP-134488-01, MP=ASP-134488-01, Pin Count=400, Price=None, Source=ASP-134488-01.SchLib
J7: library part CMP-002-00028-2, "Female Header, Pitch 2.54 mm, 1 x 8 Position, Height 8.5 mm, Tail Length 3.2 mm, -40 to 105 degC, RoHS, Bulk", Manufacturer=Sullins, Max Operating Temperature=105°C, Min Operating Temperature=-40°C, Package Description="Female Header, Pitch 2.54 mm, 1 x 8 Position, Height 8.5 mm, Tail Length 3.2 mm", Case/Package=PPPC081LFBN-RC, Connector Type=Header, Datasheet URL=http://sullinscorp.com/catalogs/101_PAGE114-115_.100_FEMALE_HDR.pdf, Datasheet Version=Jan-15, Gender=Female, Mounting Technology=TH, Package Reference=PPPC081LFBN-RC, RoHS Compliant=Unknown
J8 J9: library part CMP-42753-000002-1, "CONN SMA JACK STR 50 OHM PCB"
P1 P2 P3 P4 P5 P6 P26: library part CMP-1676-00001-5, "Male Header, Pitch 2.54 mm, 1 x 3 Position, Height 8.38 mm, Tail Length 3.18 mm, RoHS, Bulk", Colour=Black, Current Rating="4 A", Manufacturer=Molex, Max Operating Temperature="75 degC", Min Operating Temperature="0 degC", Package Quantity=1, Voltage Rating="250 V", ComponentLink1Description="Manufacturer URL", ComponentLink1URL=http://www.molex.com/, ComponentLink2Description=Datasheet, ComponentLink2URL=http://www.molex.com/pdm_docs/sd/022284033_sd.pdf, Contact Finish=Gold, Contact Material=Brass, Contact Plating=Gold, DatasheetVersion="Rev. G, 01/2012", Height="8.38 mm", Lead Pitch="0.1 inch", Length="7.62 mm", Mount="Through Hole", Mounting Technology="Through Hole", PackageDescription="Male Header, Pitch 2.54 mm, 1 x 3 Position, Height 8.38 mm, Tail Length 3.18 mm", PackageReference=22-28-4033, Packaging=Bulk, Pins=3, REACH SVHC=Unknown, RoHSCompliant=true, Rows=1
P7 P18 P19: "Header, 5-Pin", LatestRevisionDate=17-Jul-2002, LatestRevisionNote="Re-released for DXP Platform.", Publisher="Altium Limited"
P8 P15: "Header, 10-Pin, Dual row", LatestRevisionDate=17-Jul-2002, LatestRevisionNote="Re-released for DXP Platform.", Publisher="Altium Limited"
P9 P10: "Header, 8-Pin, Dual row", LatestRevisionDate=17-Jul-2002, LatestRevisionNote="Re-released for DXP Platform.", Publisher="Altium Limited"
P11 P12 P13 P14 P16 P17 P20 P22 P23: library part CMP-2000-07492-1, "Male Header, Pitch 2.54 mm, 1 x 2 Position, Height 8.21 mm, Tail Length 3.05 mm, -65 to 105 degC, RoHS, Bulk", Case\/Package=100, Colour=Black, Current Rating=3A, Flammability Rating=UL94V-0, High Temperature Housing=Yes, Manufacturer="TE Connectivity", Max Current Rating=5A, Max Operating Temperature=105degC, Min Operating Temperature=-65degC, Package Description="Male Header, Pitch 2.54 mm, 1 x 2 Position, Height 8.21 mm, Tail Length 3.05 mm", Package Quantity=500, Approvals=CSA, Board Standoff=No(Without), Connector Type=Header, Contact Gender=Male, Contact Material=CopperAlloy, Contact Mating Length=0.23inch, Contact Plating=Matte, Contact Protection=No(Without), Contact Shape=Square, Datasheet URL=http://www.te.com/commerce/DocumentDelivery/DDEController?Action=showdoc&DocId=Customer+Drawing%7F146280%7FH1%7Fpdf%7FEnglish%7FENG_CD_146280_H1.pdf%7F5-146280-2, Datasheet Version="Rev. H1, 08/2016", Depth=2.34mm, Gasket=No(Without), High Speed Serial Data Connector=No, Housing Colour=Black, Housing Material=Polymer, Keyed=No, Length=4.67mm, Manufacturer URL=http://www.te.com/, Mating Alignment=No(Without), Mating Connector Lock=No(Without), Mating Post Length=0.23inch, Mount=ThroughHole, Mounting Technology=ThroughHole, Number Of Contacts=2, Number of Positions=2, Number Of Rows=1, Orientation=Straight, Package Reference=5-146280-2, Packaging=Carton, Panel Mount Retention=No(Without), PCB Mount Retention=Without, PCB Mounting Orientation=Vertical, PCB Thickness=0.063inch, Pitch=2.54mm, Radiation Hardening=No, RoHSCompliant=true, Row Spacing=2.54mm, Selectively Loaded=No(Without), Stabilizers=No(Without), Termination=ThroughHole, Termination Post Length=0.12inch
P21: "Header, 5-Pin, Dual row", LatestRevisionDate=17-Jul-2002, LatestRevisionNote="Re-released for DXP Platform.", Publisher="Altium Limited"
P24: "Header, 30-Pin", LatestRevisionDate=17-Jul-2002, LatestRevisionNote="Re-released for DXP Platform.", Publisher="Altium Limited"
P25: library part CMP-002-00021-2, "Male Header, Pitch 2.54 mm, 1 x 5 Position, Height 16.24 mm, Tail Length 3.05 mm, -65 to 125 degC, RoHS, Tape and Reel", Case/Package=77311-5, Manufacturer="FCI Electronics", Package Description="Male Header, Pitch 2.54 mm, 1 x 5 Position, Height 16.24 mm, Tail Length 3.05 mm", Connector Type=Header, Datasheet URL=http://portal.fciconnect.com/Comergent//fci/drawing/77311.pdf, Datasheet Version="Rev. CK, 07/2016", Gender=Male, Manufacturer URL=http://portal.fciconnect.com/, Mounting Technology=TH, Package Reference=77311-5, RoHS Compliant=Unknown
Q1 Q2 Q3 Q4 Q5: library part CMP-2000-04935-2, "MOSFET N-CH 25V 220MA SOT-23", Continuous Drain Current=0.22A, Drain To Source Breakdown Voltage=25V, Drain To Source Resistance=3.1Ω, Gate To Source Voltage=8V, Input Capacitace At Vds="9.5pF @ 10V", Manufacturer="ON Semiconductor", Max Forward Diode Voltage=1.2V, Max Junction Temp=+150°C, Package=318-08, Power Dissipation=0.35W, Temperature="-55°C to +150°C", Temperature Range Low=-55°C, Typ Forward Diode Voltage=0.8V, Automotive=No, Category=Trans, ComponentLink2Description=Datasheet, ComponentLink2URL=https://www.onsemi.com/pub/Collateral/FDV301N-D.PDF, Depletion Mode=False, Device Class L1="Discrete Semiconductors", Device Class L2=Transistors, Device Class L3=MOSFETs, Digikey Description="MOSFET N-CH 25V 220MA SOT-23", Drain To Source Voltage=25V, Footprint Url=https://www.onsemi.com/pub/Collateral/318-08.PDF, Gate Charge At Vgs="0.49nC @ 4.5V", Height=1.11mm, Ipc Land Pattern Name=SOT95P240X100-3, Lead Free=Yes, Manufacturer Part Number=FDV301N, Mouser Description="MOSFET N-Ch Digital", Number Of Channels=1, Number Of N Channels=1, Octopart=https://octopart.com/fdv301n-on+semiconductor-84326713, RoHS=TRUE, Rthja Max=357°C/W, Standoff Height=0.01mm, Temperature Range High=+150°C, Threshold Vgs Max=1.06V, Threshold Vgs Min=0.7V, Transconductance=0.2S, Turn Off Delay Time=3.5ns, Turn On Delay Time=3.2ns
R1 R2 R3 R4 R5 R6 R7 R8 R9 R10 R11 R12 R13 R14 R15 R16 R17 R18 R19 R20 R21 R22 R23 R24 R25 R26 R27 R28 R29 R30 R31 R32 R33 R34 R35 R36 R37 R38 R39 R40 R41 R42: "Resistor", LatestRevisionDate=17-Jul-2002, LatestRevisionNote="Re-released for DXP Platform.", PackageDescription="Axial Device, Thru-Hole; 2 Leads; 0.3 in Pin Spacing", PackageReference=AXIAL-0.3, Published=8-Jun-2000, Publisher="Altium Limited"
R43 R44 R45 R46 R47 R48 R49 R50 R51 R52 R53 R54 R55 R56 R57 R58 R59 R60 R61 R62 R63 R64 R65 R66 R67 R68 R69 R70 R71 R72 R73 R76 R77 R78 R79 R80 R82 R83 R84 R85 R86 R87 R88: library part CMP-009-00062-2, "Jumper 0402 (1005 Metric)", Case/Package=0402, Mounting Technology=SMT, Pins=2
R75: library part DISCRETE_R, "0 0603"
R81: library part CMP-009-00017-5, "Chip Resistor, 10 KOhm, +/- 1%, 01 W, -55 to 155 degC, 0603 (1608 Metric)", Case/Package=0603, Max Operating Temperature=155°C, Min Operating Temperature=-55°C, Power=100mW, Tolerance=1%, Voltage Rating=50V, Mounting Technology=SM, Pins=2, RoHS Compliant=True
U1 U3 U5 U6 U7: library part CMP-0136-00180-1, "1A, Low Voltage, Low Quiescent Current LDO Regulator, 8-Pin SOIC 150mil, Extended Temperature", Code_IPC=SOIC127P600-8, Code_JEDEC=MS-012, DatasheetVersion="revC, Aug-2007", PackageDescription="8-Lead Plastic Small Outline (SN) - Narrow, 3.90mm Body [SOIC]", PackageReference=SOIC-SN8, PackageVersion="revBB, Aug-2009"
U2 U4: library part CMP-09131-000077-1, "IC PWR MONITOR DUAL WIDE 16MSOP", RoHS Compliant=Yes
U8: library part CMP-04899-000056-1, "IC TRNSLTR BIDIRECTIONAL 48TSSOP", Case/Package=TSSOP, High Level Output Current=-12mA, Low Level Output Current=12mA, Max Operating Temperature=85°C, Max Supply Voltage=3.6V, Min Operating Temperature=-40°C, Min Supply Voltage=1.2V, Package Quantity=1, Contact Plating=Gold, Data Rate=380Mbps, Direction=Bidirectional, Height=1.05mm, Lead Free="Lead Free", Length=12.6mm, Logic Function=Translator, Mount="Surface Mount", Number of Bits=16, Number Of Channels=2, Number of Elements=2, Number of Pins=48, Packaging="Tape and Reel", Polarity=Non-Inverting, Propagation Delay=2.7ns, Radiation Hardening=No, REACH SVHC="No SVHC", RoHS Compliant=Yes, Turn-On Delay Time=5ns, Weight=0.007873oz, Width=6.2mm

## Via types
v1: diameter 20, hole 10, Top Layer to Bottom Layer, 828 vias
v2: diameter 20, hole 10, Top Layer to Bottom Layer, tented both sides, 304 vias

## Nets (pads, with @x,y where several pads share a name; then routed paths per layer and width w, separated by ;. In a path a pad name is that pad's centre, name@x,y a point inside that pad or via, vN(x,y) a via of type N, cw(c..) or ccw(c..) an arc to the next point about the centre after c; other vN are vias at no path point)
1V8_DUT: *1.2 *2.135 *2.136 *2.137 *2.138 *2.144 *2.152 *2.155 *2.180 *2.189 *2.190 *2.191 *2.216 C10.1 C11.1 C12.1 C55.2 P3.2 P26.1 R2.1 R81.2 | length 3439
  Top Layer w6: *2.152@1425.2,-39.37 1425.2,-38.68 1442.08,-21.8 v2(1442.08,-21.1) ; *2.189@1464.57,-118.11 v2(1484.25,-98.43) ; *2.135@1464.57,0 v2(1484.25,19.69) ; *2.190@1503.94,-118.11 v2(1523.62,-98.43) ; *2.136@1503.94,0 v2(1523.62,19.69) ; *2.191@1543.31,-118.11 v2(1562.99,-98.43) ; *2.155@1543.31,-39.37 v2(1562.99,-19.68) ; *2.137@1543.31,0 v2(1562.99,19.69) ; *2.138@1582.68,0 v2(1602.36,19.69) ; *2.216@1818.9,-157.48 1822.83,-157.48 v2(1838.58,-141.73) 1933.07,-236.22 1933.07,-692.13 P26.1@1854.33,-770.87 2933.07,-1849.61 C55.2@2933.07,-1890.55 3026.38,-1890.55 R81.2@3031.5,-1895.67 3061.02,-1895.67 v2(3074.8,-1909.45) ; *2.180@1818.9,-78.74 v2(1838.58,-59.06) ; *2.144@1818.9,0 v2(1838.58,19.69) ; R2.1@2935.43,1874.02 2939.37,1870.08 v2(2960.63,1870.08)
  Bottom Layer w6: v2(1602.36,19.69) C10.1@1651.57,19.69 C12.1@1651.57,59.06 C11.1@1651.57,98.43 ; P3.2@2740.16,2236.22 2740.16,2192.1 2960.63,1971.63 v2(2960.63,1870.08) ; v2(3074.8,-1909.45) 3129.13,-1909.45 *1.2@3147.24,-1927.56
1V8_IO: C39.2 C40.1 C44.1 C46.1 C48.1 C50.1 C51.2 C53.1 IC1.1 IC2.1 IC3.1 IC4.1 IC5.1 IC6.1 P6.2 P12.1 P14.1 P16.1 P17.1 P20.1 P22.1 P23.1 R35.2 R36.2 R37.2 R38.2 U8.31 U8.42 | length 3372.5
  Top Layer w5: P14.1@-1349.21,-1377.95 -1254.72,-1472.44 P23.1@-1132.68,-1472.44 -1034.25,-1570.87 P16.1@-904.33,-1570.87 P22.1@-904.33,-1838.58 -857.09,-1791.34 -787.4,-1791.34 -644.48,-1934.26 -644.48,-1973.39 -499.15,-2118.72 -496.42,-2118.72 -487.19,-2127.95 IC5.1@-467.01,-2127.95 v2(-467.01,-2173.23) ; C51.2@-451.57,-2212.6 -451.57,-2188.66 v2(-467.01,-2173.23) ; U8.31@-385.83,287.4 C39.2@-284.65,287.4 v2(-284.65,288.44) ; U8.42@-385.83,503.94 v2(-271.65,503.94) ; v2(-342.52,-2232.28) -401.57,-2173.23 v2(-467.01,-2173.23) ; IC6.1@-309.53,-962.6 -309.53,-1013.11 -290.16,-1032.48 C53.1@-290.16,-1039.37 v2(-259.84,-1039.37) ; IC1.1@-309.53,-627.95 -309.53,-674.53 -290.16,-693.9 C44.1@-290.16,-700.79 v2(-263.78,-700.79) ; IC2.1@-305.59,-1297.24 -305.59,-1351.69 -286.22,-1371.06 C46.1@-286.22,-1377.95 -282.28,-1374.02 v2(-259.84,-1374.02) ; IC4.1@-297.72,1190.94 -284.7,1190.94 -278.35,1184.59 v2(-278.35,1153.32) C50.1@-278.35,1122.05 ; v2(-295.28,763.78) -278.35,763.78 C48.1@-274.41,759.84 -274.41,766.73 -293.78,786.1 IC3.1@-293.78,840.55 ; v2(-271.65,-2220.47) -271.65,-2217.91 -253.54,-2199.8 R38.2@-253.54,-2192.91 -253.54,-2119.29 R37.2@-254.72,-2118.11 R36.2@-254.72,-2043.31 R35.2@-254.72,-1964.57 R35.2@-263.05,-1956.24
  Bottom Layer w5: P12.1@-673.23,-26.38 -648.17,-1.32 -622.64,24.21 -286.81,24.21 v2(-236.22,74.8)
  Bottom Layer w10: v2(-467.01,-2173.23) -318.9,-2173.23 v2(-271.65,-2220.47)